# Altium PCB Thunderscope-E.PCBDOC (part 4 of 4) (continued)
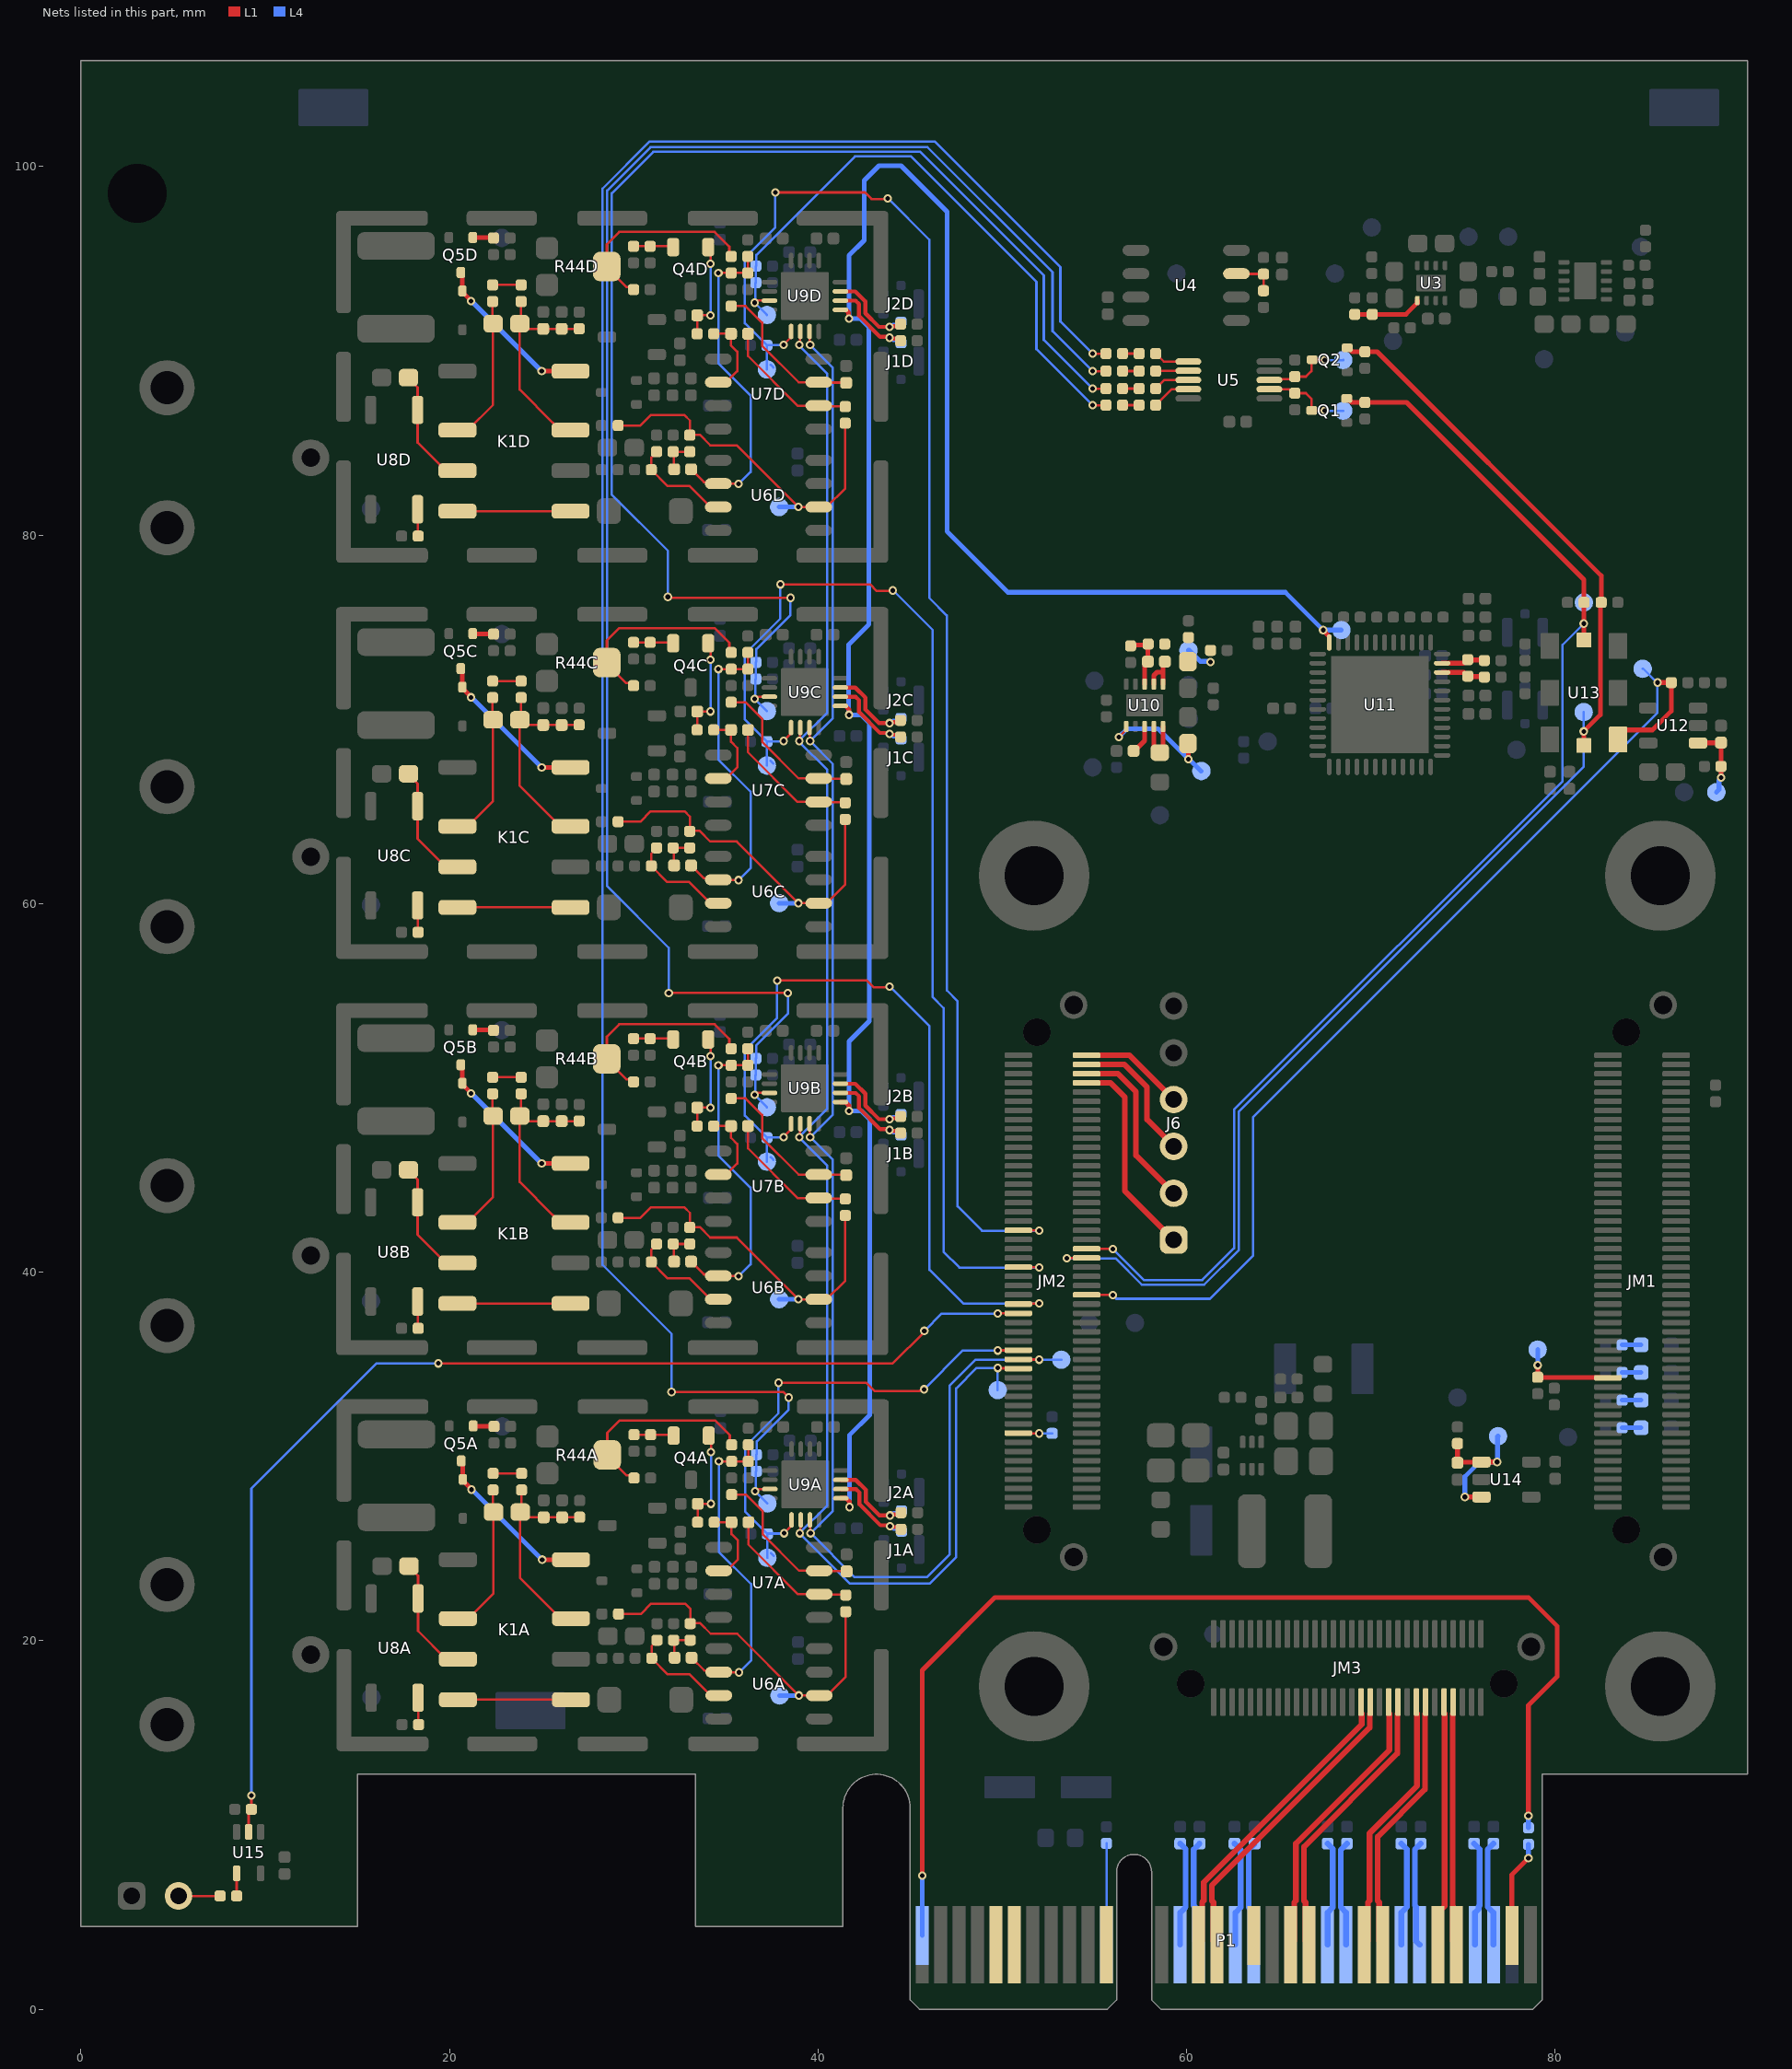
[diagram p6: the nets of this part, all layers, seen from the top]
## Nets (pads, with @x,y where several pads share a name; then routed paths per layer and width w, separated by ;. In a path a pad name is that pad's centre, name@x,y a point inside that pad or via, vN(x,y) a via of type N, cw(c..) or ccw(c..) an arc to the next point about the centre after c; other vN are vias at no path point) (continued)
  L1 w0.127: R45C.2@22.338,72.08 R47C.1@23.888,72.08
NetR45D_2: R45D.2 R47D.1 | length 1.5
  L1 w0.127: R45D.2@22.338,93.58 R47D.1@23.888,93.58
NetR46_2: R46.2 U15.4 | length 1.3
  L1 w0.127: U15.4@8.45,7.375 8.425,7.35 8.45,7.325 R46.2@8.45,6.15 R46.2@8.475,6.125
NetR51A_2: R51A.2 U8A.2 | length 1.5
  L1 w0.127: U8A.2@18.295,16.905 18.31,16.89 18.31,15.465 R51A.2@18.325,15.45
NetR51B_2: R51B.2 U8B.2 | length 1.5
  L1 w0.127: U8B.2@18.27,38.406 18.285,38.391 18.285,36.966 R51B.2@18.3,36.951
NetR51C_2: R51C.2 U8C.2 | length 1.5
  L1 w0.127: U8C.2@18.27,59.905 18.285,59.89 18.285,58.465 R51C.2@18.3,58.45
NetR51D_2: R51D.2 U8D.2 | length 1.5
  L1 w0.127: U8D.2@18.27,81.405 18.285,81.39 18.285,79.965 R51D.2@18.3,79.95
NetR70_2: R70.2 R71.2 U11.35 | length 2.4
  L1 w0.254: U11.35@73.868,73.05 75.045,73.05 R71.2@75.245,73.25 ; R70.2@76.157,73.2 76.132,73.225 R71.2@75.282,73.225 ; R71.2@75.245,73.25 75.27,73.225 R71.2@75.282,73.225 ; R71.2@75.245,73.25 R71.2@75.257,73.25 R71.2@75.282,73.225
NetR71_1: R71.1 R73.2 U11.34 | length 2.4
  L1 w0.254: U11.34@73.868,72.55 75.045,72.55 75.245,72.35 R71.1@75.257,72.35 75.282,72.325 76.132,72.325 R73.2@76.157,72.3
OSC_OE: JM2.48 R72.2 TP38.1 U13.1 | length 57.3
  L1 w0.127: JM2.48@54.567,38.771 54.577,38.76 55.99,38.76 v1(56,38.75)
  L1 w0.254: U13.1@83.415,68.905 83.415,69.055 83.788,69.428 85.278,69.428 86.3,70.45 R72.2@86.3,72 v1(85.55,72)
  L4 w0.127: v1(56,38.75) 56.193,38.557 61.268,38.557 63.596,40.885 63.596,48.405 85.55,70.359 v1(85.55,72) 85.525,72 84.775,72.75 TP38.1@84.75,72.75
OUTA_N: J1A.1 R29A.1 U9A.14 | length 5.3
  L1 w0.214: U9A.14@41.238,28.23 42.063,28.23 42.25,28.043 42.25,27.4 43.388,26.262 43.788,26.262 43.881,26.169 44.381,26.169 R29A.1@44.5,26.05
  L4 w0.214: v1(43.9,26.216) 43.966,26.216 44.107,26.074 44.376,26.074 J1A.1@44.525,25.925
OUTA_P: J2A.1 R28A.1 U9A.15 | length 5.2
  L1 w0.214: U9A.15@41.238,28.73 42.045,28.73 42.591,28.184 42.591,27.541 43.332,26.8 v1(43.9,26.8) 43.947,26.847 44.397,26.847 R28A.1@44.5,26.95
  L4 w0.214: v1(43.9,26.8) 43.966,26.8 44.092,26.926 44.376,26.926 J2A.1@44.525,27.075
OUTB_N: J1B.1 R29B.1 U9B.14 | length 5.3
  L1 w0.214: U9B.14@41.213,49.731 42.038,49.731 42.225,49.544 42.225,48.901 43.363,47.764 43.763,47.764 43.856,47.67 44.356,47.67 R29B.1@44.475,47.551
  L4 w0.214: v1(43.875,47.717) 43.941,47.717 44.082,47.575 44.351,47.575 J1B.1@44.5,47.426
OUTB_P: J2B.1 R28B.1 U9B.15 | length 5.2
  L1 w0.214: U9B.15@41.213,50.231 42.02,50.231 42.566,49.685 42.566,49.042 43.307,48.301 v1(43.875,48.301) 43.922,48.348 44.372,48.348 R28B.1@44.475,48.451
  L4 w0.214: v1(43.875,48.301) 43.941,48.301 44.067,48.427 44.351,48.427 J2B.1@44.5,48.576
OUTC_N: J1C.1 R29C.1 U9C.14 | length 5.3
  L1 w0.214: U9C.14@41.213,71.23 42.038,71.23 42.225,71.043 42.225,70.4 43.363,69.262 43.763,69.262 43.856,69.169 44.356,69.169 R29C.1@44.475,69.05
  L4 w0.214: v1(43.875,69.216) 43.941,69.216 44.082,69.074 44.351,69.074 J1C.1@44.5,68.925
OUTC_P: J2C.1 R28C.1 U9C.15 | length 5.2
  L1 w0.214: U9C.15@41.213,71.73 42.02,71.73 42.566,71.184 42.566,70.541 43.307,69.8 v1(43.875,69.8) 43.922,69.847 44.372,69.847 R28C.1@44.475,69.95
  L4 w0.214: v1(43.875,69.8) 43.941,69.8 44.067,69.926 44.351,69.926 J2C.1@44.5,70.075
OUTD_N: J1D.1 R29D.1 U9D.14 | length 5.3
  L1 w0.214: U9D.14@41.213,92.73 42.038,92.73 42.225,92.543 42.225,91.9 43.363,90.762 43.763,90.762 43.856,90.669 44.356,90.669 R29D.1@44.475,90.55
  L4 w0.214: v1(43.875,90.716) 43.941,90.716 44.082,90.574 44.351,90.574 J1D.1@44.5,90.425
OUTD_P: J2D.1 R28D.1 U9D.15 | length 5.2
  L1 w0.214: U9D.15@41.213,93.23 42.02,93.23 42.566,92.684 42.566,92.041 43.307,91.3 v1(43.875,91.3) 43.922,91.347 44.372,91.347 R28D.1@44.475,91.45
  L4 w0.214: v1(43.875,91.3) 43.941,91.3 44.067,91.426 44.351,91.426 J2D.1@44.5,91.575
PER0_N: C71.2 P1.A17 | length 5.7
  L4 w0.309: P1.A17@63.65,3.5 63.65,5.25 63.368,5.532 63.368,8.655 63.7,8.987 C71.2@63.7,8.99
PER0_P: C72.2 P1.A16 | length 5.7
  L4 w0.309: C72.2@62.6,8.99 62.6,8.987 62.932,8.655 62.932,5.532 62.65,5.25 P1.A16@62.65,3.5
PER1_N: C69.2 P1.A22 | length 5.7
  L4 w0.309: P1.A22@68.65,3.5 68.65,5.25 68.368,5.532 68.368,7.259 68.368,8.655 68.7,8.987 C69.2@68.7,8.99
PER1_P: C70.2 P1.A21 | length 5.7
  L4 w0.309: P1.A21@67.65,3.5 67.65,5.25 67.932,5.532 67.932,7.44 67.932,8.705 67.65,8.987 C70.2@67.65,8.99
PER2_N: C67.2 P1.A26 | length 5.7
  L4 w0.309: P1.A26@72.65,3.5 72.455,3.695 72.455,5.558 72.386,5.627 72.386,7.171 72.386,8.673 72.7,8.987 C67.2@72.7,8.99
PER2_P: C68.2 P1.A25 | length 5.7
  L4 w0.309: P1.A25@71.65,3.5 71.65,5.25 71.95,5.55 71.95,7.351 71.95,8.687 71.65,8.987 C68.2@71.65,8.99
PER3_N: C65.2 P1.A30 | length 5.7
  L4 w0.309: P1.A30@76.65,3.5 76.65,5.25 76.336,5.564 76.336,7.381 76.336,8.673 76.65,8.987 C65.2@76.65,8.99
PER3_P: C66.2 P1.A29 | length 5.7
  L4 w0.309: C66.2@75.6,8.99 75.6,8.987 75.9,8.687 75.9,7.2 75.9,5.627 75.845,5.572 75.845,5.445 75.65,5.25 P1.A29@75.65,3.5
PERST#: P1.A11 R79.1 | length 5.5
  L4 w0.127: P1.A11@55.65,3.5 R79.1@55.65,9
PET0_N: JM3.25 P1.B15 | length 16.9
  L1 w0.309: P1.B15@61.65,3.5 61.455,3.695 61.455,5.801 61.368,5.888 61.368,6.709 69.936,15.277 69.936,16.049 69.968,16.081 JM3.25@69.968,16.672
PET0_P: JM3.27 P1.B14 | length 16.9
  L1 w0.309: P1.B14@60.65,3.5 60.845,3.695 60.845,5.801 60.932,5.888 60.932,6.89 69.5,15.458 69.5,16.049 69.468,16.081 JM3.27@69.468,16.672
PET1_N: JM3.19 P1.B20 | length 15.4
  L1 w0.309: P1.B20@66.65,3.5 66.455,3.695 66.455,5.801 66.368,5.888 66.368,8.818 71.436,13.886 71.436,16.049 71.463,16.076 71.463,16.667 JM3.19@71.468,16.672
PET1_P: JM3.21 P1.B19 | length 15.4
  L1 w0.309: P1.B19@65.65,3.5 65.845,3.695 65.845,5.801 65.932,5.888 65.932,8.999 71,14.067 71,16.049 70.973,16.076 70.973,16.667 JM3.21@70.968,16.672
PET2_N: JM3.13 P1.B24 | length 14.4
  L1 w0.309: P1.B24@70.65,3.5 70.455,3.695 70.455,5.801 70.368,5.888 70.368,9.368 72.936,11.936 72.936,16.049 72.968,16.081 JM3.13@72.968,16.672
PET2_P: JM3.15 P1.B23 | length 14.4
  L1 w0.309: P1.B23@69.65,3.5 69.845,3.695 69.845,5.801 69.932,5.888 69.932,9.549 72.5,12.117 72.5,16.049 72.468,16.081 JM3.15@72.468,16.672
PET3_N: JM3.7 P1.B28 | length 13.3
  L1 w0.309: JM3.7@74.468,16.672 74.468,16.081 74.436,16.049 74.436,8.33 74.436,5.627 74.455,5.608 74.455,3.695 P1.B28@74.65,3.5
PET3_P: JM3.9 P1.B27 | length 13.3
  L1 w0.309: P1.B27@73.65,3.5 73.65,5.25 74,5.6 74,8.511 74,16.049 73.968,16.081 JM3.9@73.968,16.672
PGA_CSn_1: JM2.35 R53A.1 TP20A.1 U9A.9 | length 26.9
  L1 w0.127: v1(37.85,34) 42.616,34 43.066,33.55 45.506,33.55 45.539,33.583 45.683,33.583 v1(45.746,33.646) ; v1(38.163,25.83) 38.163,25.843 38.563,26.243 U9A.9@38.563,26.555 ; v1(49.75,35.75) 49.76,35.76 50.857,35.76 JM2.35@50.867,35.771
  L4 w0.127: TP20A.1@37.25,24.5 R53A.1@37.25,25.8 36.05,27 36.05,30.55 37.85,32.35 v1(37.85,34) ; R53A.1@37.265,25.815 38.148,25.815 v1(38.163,25.83) ; TP20A.1@37.45,24.75 TP20A.1@37.6,24.6 ; v1(45.746,33.646) 47.85,35.75 v1(49.75,35.75)
PGA_CSn_2: JM2.45 R53B.1 TP20B.1 U9B.9 | length 56.7
  L1 w0.127: v1@37.804,55.855 v1(37.777,55.828) 42.65,55.828 43.008,55.47 v1@43.846,55.47 ; v1(38.138,47.331) 38.138,47.344 38.538,47.744 U9B.9@38.538,48.056 ; JM2.45@50.867,38.271 50.882,38.285 51.985,38.285 v1(52,38.3)
  L4 w0.127: TP20B.1@37.225,46.001 R53B.1@37.225,47.301 36.025,48.501 36.025,52.051 37.777,53.803 v1(37.777,55.828) ; R53B.1@37.24,47.316 38.123,47.316 v1(38.138,47.331) ; TP20B.1@37.425,46.251 TP20B.1@37.575,46.101 ; v1(43.877,55.501) 43.899,55.501 46.05,53.35 ; 46.05,40.122 46.05,53.35 ; v1(52,38.3) 47.881,38.3 46.05,40.131 46.05,53.35
PGA_CSn_3: JM2.53 R53C.1 TP20C.1 U9C.9 | length 63.1
  L1 w0.127: v1(37.95,77.327) 42.823,77.327 43.181,76.969 v1@44.019,76.969 ; v1(38.138,68.83) 38.138,68.843 38.538,69.243 U9C.9@38.538,69.555 ; JM2.53@50.867,40.271 50.877,40.26 51.99,40.26 v1(52,40.25)
  L4 w0.127: TP20C.1@37.225,67.5 R53C.1@37.225,68.8 36.025,70 36.025,73.55 37.95,75.475 v1(37.95,77.327) ; R53C.1@37.24,68.815 38.123,68.815 v1(38.138,68.83) ; TP20C.1@37.425,67.75 TP20C.1@37.575,67.6 ; v1(44.05,77) 44.072,77 46.223,74.849 46.223,54.927 46.812,54.338 46.812,41.113 47.675,40.25 v1(52,40.25)
PGA_CSn_4: JM2.61 R53D.1 TP20D.1 U9D.9 | length 81.4
  L1 w0.127: v1(37.675,98.6) 42.548,98.6 42.906,98.242 v1@43.744,98.242 ; v1(38.138,90.33) 38.138,90.343 38.538,90.743 U9D.9@38.538,91.055 ; JM2.61@50.867,42.271 50.877,42.26 51.99,42.26 v1(52,42.25)
  L4 w0.127: TP20D.1@37.225,89 R53D.1@37.225,90.3 36.025,91.5 36.025,95.05 37.675,96.7 v1(37.675,98.6) ; R53D.1@37.24,90.315 38.123,90.315 v1(38.138,90.33) ; TP20D.1@37.425,89.25 TP20D.1@37.575,89.1 ; v1@43.797,98.273 46.042,96.028 46.042,76.589 46.985,75.646 46.985,74.347 46.991,74.341 46.991,55.291 47.574,54.708 47.574,43.576 48.9,42.25 v1(52,42.25)
  other v1: 43.775,98.273
PGA_SCLK: JM2.33 TP14.1 U9A.11 U9B.11 U9C.11 U9D.11 | length 96.5
  L1 w0.127: U9B.11@39.538,48.056 39.555,48.039 39.555,47.348 v1(39.572,47.331) ; U9C.11@39.538,69.555 39.555,69.538 39.555,68.847 v1(39.572,68.83) ; U9D.11@39.538,91.055 39.555,91.038 39.555,90.347 v1(39.572,90.33) ; U9A.11@39.563,26.555 39.58,26.538 39.58,25.847 v1(39.597,25.83) ; JM2.33@50.867,35.271 50.877,35.26 51.99,35.26 v1(52,35.25)
  L4 w0.127: v1(39.572,90.33) 39.572,90.306 40.8,89.078 40.8,70.058 v1(39.572,68.83) 39.572,68.807 40.8,67.579 40.8,48.559 v1(39.572,47.331) 40.8,46.103 40.8,27.033 v1(39.597,25.83) 41.977,23.45 45.9,23.45 47.15,24.7 47.15,33.85 48.55,35.25 v1(52,35.25) TP14.1@53.2,35.25
PGA_SDIO: JM2.31 TP15.1 U9A.10 U9B.10 U9C.10 U9D.10 | length 95.7
  L1 w0.127: v1(38.988,47.331) 39.019,47.363 39.019,48.038 U9B.10@39.038,48.056 ; v1(38.988,68.83) 39.019,68.861 39.019,69.536 U9C.10@39.038,69.555 ; v1(38.988,90.33) 39.019,90.361 39.019,91.036 U9D.10@39.038,91.055 ; v1(39.013,25.83) 39.044,25.861 39.044,26.536 U9A.10@39.063,26.555 ; v1(49.75,34.8) 49.765,34.785 50.852,34.785 JM2.31@50.867,34.771
  L4 w0.127: v1@38.988,90.357 v1(38.988,90.33) 38.988,90.275 40.5,88.763 40.5,70.369 38.988,68.857 v1(38.988,68.83) 38.988,68.777 40.5,67.264 40.5,48.87 38.988,47.358 v1(38.988,47.331) 38.988,47.3 40.5,45.788 40.5,27.344 39.013,25.857 v1(39.013,25.83) 39.013,25.822 41.734,23.1 46.05,23.1 47.5,24.55 47.5,33.691 48.609,34.8 v1(49.75,34.8) TP15.1@49.75,33.6
PGOOD: JM1.29 R81.1 TP45.1 | length 5.3
  L1 w0.254: v1(79.05,34.95) R81.1@79.05,34.3 79.065,34.285 82.852,34.285 JM1.29@82.867,34.271
  L4 w0.254: v1(79.05,34.95) TP45.1@79.05,35.8
PROBE_COMP: JM2.43 R84.2 U15.2 | length 64.3
  L1 w0.127: U15.2@9.1,9.625 9.1,10.7 R84.2@9.25,10.85 v1(9.25,11.6) ; v1(19.4,35.05) 44.05,35.05 45.768,36.768 v1(45.768,36.818) ; v1(49.75,37.75) 49.76,37.76 50.857,37.76 JM2.43@50.867,37.771
  L4 w0.127: v1(9.25,11.6) 9.25,28.26 16.04,35.05 v1(19.4,35.05) ; v1(45.768,36.818) 46.704,37.754 49.746,37.754 v1(49.75,37.75)
PRSNT1#: P1.A1 R85.1 | length 62.7
  L1 w0.254: v1(45.65,7.247) 45.65,18.4 49.6,22.35 78.55,22.35 80.1,20.8 80.1,18.05 78.55,16.5 v1(78.55,10.5)
  L4 w0.254: P1.A1@45.65,4 v1(45.65,7.247) ; R85.1@78.55,9.85 v1(78.55,10.5)
PRSNT2#_1: P1.B17
PRSNT2#_4: P1.B31 R85.2 | length 5.3
  L1 w0.254: P1.B31@77.65,4 77.65,7.3 v1(78.55,8.2)
  L4 w0.254: v1(78.55,8.2) R85.2@78.55,8.95
REFCLK_N: C73.2 P1.A14 | length 5.7
  L4 w0.309: P1.A14@60.65,3.5 60.455,3.695 60.455,5.558 60.386,5.627 60.386,7.25 60.386,8.673 60.7,8.987 C73.2@60.7,8.99
REFCLK_P: C74.2 P1.A13 | length 5.7
  L4 w0.309: P1.A13@59.65,3.5 59.65,5.25 59.95,5.55 59.95,7.431 59.95,8.687 59.65,8.987 C74.2@59.65,8.99
RESIN: JM2.17 R80.1 | length 1.8
  L1 w0.127: JM2.17@50.867,31.271 50.877,31.26 51.99,31.26 v1(52,31.25)
  L4 w0.127: v1(52,31.25) R80.1@52.7,31.25
SCL: JM2.58 Q1.3 R24.1 R77.1 TP41.1 U13.8 | length 72.6
  L1 w0.127: JM2.58@54.567,41.271 54.577,41.26 55.99,41.26 v1(56,41.25)
  L1 w0.254: Q1.3@68.69,87.42 68.755,87.42 68.971,87.205 R24.1@69.675,87.205 71.945,87.205 81.559,77.591 R77.1@81.559,76.341 ; U13.8@81.565,74.31 81.558,74.317 81.558,75.192 v1(81.55,75.2) 81.559,75.209 R77.1@81.559,76.341 ; R77.1@81.568,76.35 R77.1@81.559,76.341
  L4 w0.127: v1(56,41.25) 57.677,39.573 60.847,39.573 62.58,41.306 62.58,48.826 80.4,66.646 80.4,74.05 v1(81.55,75.2) 81.555,75.205 81.555,76.336 TP41.1@81.559,76.341
SDA: JM2.56 Q2.3 R25.1 R76.1 TP39.1 U13.7 | length 77.3
  L1 w0.127: v1(53.5,40.75) 53.51,40.76 54.557,40.76 JM2.56@54.567,40.771
  L1 w0.254: Q2.3@68.715,90.17 68.78,90.17 68.996,89.955 R25.1@69.675,89.955 70.345,89.955 82.5,77.8 R76.1@82.5,76.35 82.45,76.3 82.45,70.25 v1(81.55,69.35) 81.558,69.342 81.558,68.587 U13.7@81.565,68.58
  L4 w0.127: v1(53.5,40.75) 56.141,40.75 57.572,39.319 60.952,39.319 62.834,41.201 62.834,48.721 81.55,67.437 v1(81.55,69.35) TP39.1@81.55,70.4
SMCLK: P1.B5
SMDAT: P1.B6
TCK: J6.4 JM2.100 | length 5.7
  L1 w0.309: JM2.100@54.567,51.771 56.899,51.771 J6.4@59.3,49.37
TDI: J6.2 JM2.96 | length 9.4
  L1 w0.309: JM2.96@54.567,50.771 56.279,50.771 57.25,49.8 57.25,46.34 J6.2@59.3,44.29
TDO: J6.3 JM2.98 | length 7.6
  L1 w0.309: JM2.98@54.567,51.271 56.629,51.271 57.85,50.05 57.85,48.28 J6.3@59.3,46.83
TMS: J6.1 JM2.94 | length 11.2
  L1 w0.309: JM2.94@54.567,50.271 55.879,50.271 56.65,49.5 56.65,44.4 J6.1@59.3,41.75
TRIMA: R16.1 R54A.1 R55A.2 TP24A.1 U9A.7 | length 115.9
  L1 w0.127: v1(32.05,33.5) 38.1,33.5 v1(38.4,33.2) ; v1(36.583,28.117) 36.632,28.117 36.745,28.23 U9A.7@37.388,28.23 ; v1(54.9,89.85) 54.903,89.853 55.622,89.853 R16.1@55.625,89.855
  L4 w0.127: v1(32.05,33.5) 32.05,36.65 28.3,40.4 28.3,98.809 30.841,101.35 46.35,101.35 53.15,94.55 53.15,91.6 v1(54.9,89.85) ; v1@36.561,28.139 v1(36.583,28.117) ; TP24A.1@37.25,27.45 v1(36.583,28.117) ; v1(38.4,33.2) 38.4,32.541 36.678,30.819 36.678,30.128 R54A.1@36.65,30.1 R55A.2@36.65,29.2 36.616,29.166 36.616,28.151 v1(36.583,28.117)
TRIMB: R19.1 R54B.1 R55B.2 TP24B.1 U9B.7 | length 94.5
  L1 w0.127: v1(31.9,55.15) v1@38.36,55.151 ; v1(36.558,49.618) 36.607,49.618 36.72,49.731 U9B.7@37.363,49.731 ; v1(54.9,88.9) 54.903,88.903 55.622,88.903 R19.1@55.625,88.905
  L4 w0.127: v1(31.9,55.15) 31.9,57.604 28.554,60.95 28.554,98.704 30.908,101.058 45.942,101.058 52.725,94.275 52.725,91.075 v1(54.9,88.9) ; v1@36.536,49.64 v1(36.558,49.618) ; TP24B.1@37.225,48.951 v1(36.558,49.618) ; v1(38.36,55.151) 38.36,54.027 36.653,52.32 36.653,51.63 R54B.1@36.625,51.601 R55B.2@36.625,50.701 36.591,50.668 36.591,49.652 v1(36.558,49.618)
TRIMC: R21.1 R54C.1 R55C.2 TP24C.1 U9C.7 | length 73.1
  L1 w0.127: v1(31.85,76.65) 31.9,76.6 v1(38.5,76.6) ; v1(36.558,71.117) 36.607,71.117 36.72,71.23 U9C.7@37.363,71.23 ; v1(54.9,87.95) 54.903,87.953 55.622,87.953 R21.1@55.625,87.955
  L4 w0.127: v1(31.85,76.65) 31.85,79.15 28.808,82.192 28.808,98.551 31.061,100.804 45.546,100.804 52.25,94.1 52.25,90.6 v1(54.9,87.95) ; v1@36.536,71.139 v1(36.558,71.117) ; TP24C.1@37.225,70.45 v1(36.558,71.117) ; v1(38.5,76.6) 38.5,75.666 36.653,73.819 36.653,73.128 R54C.1@36.625,73.1 R55C.2@36.625,72.2 36.591,72.166 36.591,71.151 v1(36.558,71.117)
TRIMD: R23.1 R54D.1 R55D.2 TP24D.1 U9D.7 | length 33.4
  L1 w0.127: v1(36.558,92.617) 36.607,92.617 36.72,92.73 U9D.7@37.363,92.73 ; v1(54.9,87.05) 54.903,87.053 55.622,87.053 R23.1@55.625,87.055
  L4 w0.127: v1@36.536,92.639 TP24D.1@37.225,91.95 ; v1(36.558,92.617) 36.591,92.651 36.591,93.666 R55D.2@36.625,93.7 R54D.1@36.625,94.6 36.653,94.628 36.653,95.203 42,100.55 45.05,100.55 51.85,93.75 51.85,90.1 v1(54.9,87.05)
VCM: TP12.1 U9A.13 U9B.13 U9C.13 U9D.13 U11.48 | length 127.2
  L1 w0.254: U9B.13@41.213,49.231 41.495,49.231 41.675,49.051 v1(41.675,48.751) ; U9C.13@41.213,70.73 41.495,70.73 41.675,70.55 v1(41.675,70.25) ; U9D.13@41.213,92.23 41.509,92.23 41.652,92.087 41.652,91.773 v1(41.675,91.75) ; U9A.13@41.238,27.73 41.52,27.73 41.7,27.55 v1(41.7,27.25) ; v1(67.407,74.85) 67.407,74.832 67.743,74.496 U11.48@67.743,74.175
  L4 w0.254: v1(41.675,48.751) v1(41.675,48.751) ; v1(41.7,27.25) 41.7,31.15 42.8,32.25 42.8,48.3 42.35,48.75 v1(41.675,48.751) ; TP12.1@68.4,74.85 v1(67.407,74.85) 65.357,76.9 50.3,76.9 47,80.2 47,97.55 44.5,100.05 43.3,100.05 42.5,99.25 42.5,96 41.675,95.175 v1(41.675,91.75) 42.302,91.75 42.752,91.3 42.752,75.152 41.652,74.052 41.652,70.25 42.326,70.25 42.776,69.8 42.776,53.626 41.676,52.526 v1(41.675,48.751)
WAKE#: P1.B11
pads on no net: JM1. JM1.3 JM1.5 JM1.8 JM1.9 JM1.11 JM1.13 JM1.15 JM1.17 JM1.18 JM1.20 JM1.21 JM1.22 JM1.23 JM1.24 JM1.26 JM1.28 JM1.31 JM1.32 JM1.34 JM1.35 JM1.36 JM1.37 JM1.38 JM1.39 JM1.40 JM1.41 JM1.42 JM1.44 JM1.45 JM1.46 JM1.47 JM1.48 JM1.49 JM1.50 JM1.51 JM1.52 JM1.56 JM1.58 JM1.66 JM1.68 JM1.70 JM1.72 JM1.75 JM1.77 JM1.80 JM1.82 JM1.84 JM1.86 JM1.88 JM1.91 JM1.92 JM2. JM2.6 JM2.9 JM2.11 JM2.12 JM2.13 JM2.14 JM2.15 JM2.16 JM2.18 JM2.20 JM2.21 JM2.22 JM2.23 JM2.24 JM2.25 JM2.26 JM2.27 JM2.28 JM2.30 JM2.32 JM2.34 JM2.36 JM2.38 JM2.67 JM2.71 JM2.72 JM2.73 JM2.74 JM2.75 JM2.76 JM2.77 JM2.78 JM2.81 JM2.82 JM2.83 JM2.84 JM2.85 JM2.86 JM2.87 JM2.88 JM2.90 JM2.91 JM2.93 JM2.95 JM2.97 JM2.99 JM3. JM3.1 JM3.2 JM3.3 JM3.4 JM3.31 JM3.33 JM3.37 JM3.38 JM3.39 JM3.40 JM3.41 JM3.42 JM3.43 JM3.44 JM3.47 JM3.48 JM3.49 JM3.50 JM3.51 JM3.52 JM3.53 JM3.54 JM3.55 JM3.56 JM3.57 JM3.58 JM3.59 P1.A19 P1.A32 P1.B12 P1.B30 R44A.1 R44B.1 R44C.1 R44D.1 U4.1 U4.5 U4.8 U5.5 U6A.1 U6A.5 U6A.8 U6B.1 U6B.5 U6B.8 U6C.1 U6C.5 U6C.8 U6D.1 U6D.5 U6D.8 U7A.1 U7A.5 U7A.8 U7B.1 U7B.5 U7B.8 U7C.1 U7C.5 U7C.8 U7D.1 U7D.5 U7D.8 U9A.1 U9A.2 U9A.16 U9B.1 U9B.2 U9B.16 U9C.1 U9C.2 U9C.16 U9D.1 U9D.2 U9D.16 U12.4 U14.4 U15.1

## Polygon pours and split planes (outlines as drawn)
+3V3 on L3 "+3V3_L03" (solid, remove dead copper, pour order 42): 0,0 0,105.75 90.45,105.75 90.45,0
+5V on L3 "+5V_L03" (solid, remove dead copper, pour order 41): 30.65,97.7 85.75,97.7 85.75,90.6 66.35,90.6 66.35,84.95 48.45,84.95 48.45,14.1 30.65,14.1 30.65,33.2 42.45,33.2 42.45,35.6 30.65,35.6 30.65,54.7 42.45,54.7 42.45,57.1 30.65,57.1 30.65,76.2 42.45,76.2 42.45,78.6 30.65,78.6
GND on L3 "GND_L03_PCIe" (solid, remove dead copper, pour order 29): 58.1,0 58.1,20.3 79.3,20.3 79.3,0
GND on L3 "GND_L03_CH4" (solid, remove dead copper, pour order 40): 10.975,78.6 10.975,97.7 30.625,97.7 30.625,78.6
GND on L3 "GND_L03_CH3" (solid, remove dead copper, pour order 39): 10.975,57.1 10.975,76.2 30.625,76.2 30.625,57.1
GND on L3 "GND_L03_CH2" (solid, remove dead copper, pour order 38): 10.975,35.601 10.975,54.701 30.625,54.701 30.625,35.601
GND on L3 "GND_L03_CH1" (solid, remove dead copper, pour order 37): 11,14.1 11,33.2 30.65,33.2 30.65,14.1
GND on L3 "GND_L03_ADC_LVDS" (solid, remove dead copper, pour order 33): 72.75,49.25 86.45,49.25 86.45,41 72.8,41
GND on L1 "GND_L01" (solid, remove dead copper, pour order 46): 0,0 0,105.75 90.45,105.75 90.467,105.733 90.467,-0.012
+12V on L1 "+12V_L01" (solid, remove dead copper, pour order 34): 63.2,29.65 63.2,28.25 59.5,28.25 59.5,27.1 57.85,27.1 57.85,29.9 61.25,29.9 61.25,29.65
NetC51_2 on L1 "C51_2_L01" (solid, pour order 32): 58.095,67.6 60.627,67.6 60.627,69.143 58.095,69.143
NetC10_2 on L1 "C10_2_L01" (solid, pour order 27): 78.5,93.432 78.5,90.9 80,90.9 80,93.432
+5V on L1 "+5V_L01" (solid, remove dead copper, pour order 28): 85.65,93.073 83.3,93.073 83.3,90.75 85.65,90.75
NetC50_2 on L1 "C50_2_L01" (solid, remove dead copper, pour order 31): 58.452,74.75 58.452,72.441 61.6,72.441 61.6,74.75
GND on L4 "+GND_L04" (solid, remove dead copper, pour order 50): 0,0 0,105.75 90.45,105.75 90.45,0
+1V8A on L4 "+1V8A_L04" (solid, remove dead copper, pour order 43): 59,75.75 65.75,75.75 67.45,74.05 69.2,74.05 73.05,77.9 75.05,77.9 75.75,77.9 75.75,71 73.5,71 73.5,71.75 75,71.75 75,74.05 72.6,74.05 71.4,72.85 64.7,72.85 62.6,74.95 59,74.95
+5V on L4 "+5V_L04_PGA4" (solid, remove dead copper, pour order 49): 38.1,96.349 39.9,96.349 39.9,94.999 38.1,94.999
+5V on L4 "+5V_L04_PGA3" (solid, remove dead copper, pour order 48): 38.103,74.851 39.903,74.851 39.903,73.501 38.103,73.501
+5V on L4 "+5V_L04_PGA1" (solid, remove dead copper, pour order 47): 38.13,31.854 39.93,31.854 39.93,30.504 38.13,30.504
+5V on L4 "+5V_L04_PGA2" (solid, remove dead copper, pour order 45): 38.1,53.35 39.9,53.35 39.9,52 38.1,52
+5V5 on L4 "+5V5_L04" (solid, remove dead copper, pour order 36): 66.15,34.65 66.15,49.75 87.25,70.85 87.25,96.2 86.65,96.8 79.65,96.8 78.5,95.65 78.5,91.75 76.05,91.75 76.05,96.3 78.75,99 89.45,99 89.45,65.35 84.85,65.35 68.6,49.1 68.6,34.65
+1V8D on L4 "+1v8d_L04" (solid, remove dead copper, pour order 44): 61.9,74.7 62.85,74.7 64.7,72.85 67.35,72.85 67.35,70.05 69.45,67.95 71.45,67.95 74.45,70.95 75.65,70.95 75.65,69.85 72.6,66.8 68.6,66.8 62.65,72.75 61.9,72.75
+12V_PCIe on L4 "+12V_PCIe_L04" (solid, remove dead copper, pour order 35): 48,5.9 46.3,5.9 46.3,20.5 48.85,23.05 53.8,23.05 55.7,24.95 57.6,26.85 60,26.85 60,25.65 55.6,21.25 49.75,21.25 48,19.5
+3V3_PCIe on L4 "+3V3_PCIe_L04" (solid, remove dead copper, pour order 30): 55,5.9 55,10.05 53.15,10.05 53.15,6.65 52.25,6.65 52.25,5.9
GND on L2 "GND_L02" (solid, remove dead copper, pour order 9): 0,105.75 90.45,105.75 90.45,0 0,0

## Keep-outs
L1:
  rectangle: 0,89.7 11.2,104.75
  region: 90.45,12.75 90.45,105.75 89.45,105.75 89.45,12.75
  rectangle: 0,104.75 90.45,105.75
  rectangle: 79.3,12.75 90.45,13.75
  region: 15,12.7 15.05,12.7 33.3,12.7 33.3,7.95 ccw(c33.35,7.95) 33.35,7.9 41.35,7.9 ccw(c41.35,7.95) 41.4,7.95 41.4,10.925 cw(c43.175,10.925) 44.95,10.925 ccw(c45,10.925) 45.05,10.925 45.05,13.75 ccw(c45,13.75) 45,13.8 15,13.8
L2:
  circle w0.254: c3.05,98.55 r3
L3:
  circle w0.254: c3.05,98.55 r3
L4:
  rectangle: 0,89.7 11.2,104.8
  region: 90.45,12.75 90.45,105.75 89.45,105.75 89.45,12.75
  rectangle: 0,104.75 89.75,105.75
  rectangle: 79.3,12.75 89.75,13.75
  region: 15,12.7 15.05,12.7 33.3,12.7 33.3,7.95 ccw(c33.35,7.95) 33.35,7.9 41.35,7.9 ccw(c41.35,7.95) 41.4,7.95 41.4,10.925 cw(c43.175,10.925) 44.95,10.925 ccw(c45,10.925) 45.05,10.925 45.05,13.75 ccw(c45,13.75) 45,13.8 15,13.8
Top Solder:
  rectangle: 33.35,4.5 41.35,7.95
Bottom Solder:
  rectangle: 33.35,4.5 41.35,7.95
KeepOutLayer:
  rectangle: 33.35,4.5 41.35,7.95

## Other copper
L1:
  pour cut-out: 54.8,82.4 70.35,82.4 74.1,76.45 54.8,76.45
  pour cut-out: 45,5.6 79.3,5.6 79.3,0 45.05,0 45,0
  pour cut-out: 14.894,96.581 14.894,79.481 42.882,79.481 42.882,94.257 36.832,94.257 36.832,96.581
  pour cut-out: 11.194,82.481 11.194,89.631 13.694,92.131 14.894,92.131 14.894,90.231 14.294,90.231 13.744,89.681 13.744,82.481
  pour cut-out: 14.887,75.074 14.887,57.974 42.875,57.974 42.875,72.75 36.825,72.75 36.825,75.074
  pour cut-out: 11.187,60.974 11.187,68.124 13.687,70.624 14.887,70.624 14.887,68.724 14.287,68.724 13.737,68.174 13.737,60.974
  pour cut-out: 14.887,53.575 14.887,36.475 42.875,36.475 42.875,51.251 36.825,51.251 36.825,53.575
  pour cut-out: 11.187,39.475 11.187,46.625 13.687,49.125 14.887,49.125 14.887,47.225 14.287,47.225 13.737,46.675 13.737,39.475
  pour cut-out: 11.212,17.974 11.212,25.124 13.712,27.624 14.912,27.624 14.912,25.724 14.312,25.724 13.762,25.174 13.762,17.974
  pour cut-out: 14.912,32.074 14.912,14.974 42.9,14.974 42.9,29.75 36.85,29.75 36.85,32.074
L2:
  pour cut-out: 11.2,61.3 11.2,68.45 13.7,70.95 14.9,70.95 14.9,68.85 13.75,67.7 13.75,61.3
  pour cut-out: 11.2,39.65 11.2,46.8 13.4,49 14.9,49 14.9,47.65 13.75,46.5 13.75,39.65
  pour cut-out: 11.2,82.95 11.2,90.1 13.1,92 14.9,92 14.9,90.3 13.75,89.15 13.75,82.95
  pour cut-out: 14.875,96.6 14.875,79.5 30.625,79.5 30.625,96.6
  pour cut-out: 14.875,75.1 14.875,58 30.625,58 30.625,75.1
  pour cut-out: 14.875,53.601 14.875,36.501 30.625,36.501 30.625,53.601
  pour cut-out: 11.2,18 11.2,25.15 13.7,27.65 14.9,27.65 14.9,25.75 14.3,25.75 13.75,25.2 13.75,18
  pour cut-out: 14.9,32.1 14.9,15 30.65,15 30.65,32.1
L4:
  pour cut-out: 84.45,36.5 86.2,36.5 88.4,36.5 88.4,32.2 86.2,32.2 86.2,31 84.4,31
  pour cut-out: 45,5.6 79.3,5.6 79.3,0 45.05,0 45,0

## Silkscreen, mask and mechanical layers (free items; w line width, h text height)
Top Overlay:
  lines w0.25: 48,13.695 89.45,13.695 89.45,65.245 48,65.245 48,13.695
Bottom Overlay:
  text "CH4" at 45.5,94.192 h1.5
  text "ADC / CLK" at 79.4,76.38 h1.5
  text "CH3" at 45.5,72.692 h1.5
  text "JTAG" at 60.6,56.292 h1.5
  text "CH2" at 45.5,51.192 h1.5
  text "A1" at 88.4,35.64 h1.5
  text "A2" at 88.4,34.136 h1.5
  text "A3" at 88.4,32.642 h1.5
  text "A4" at 88.4,31.142 h1.5
  text "CH1" at 45.525,29.692 h1.5
Top Solder:
  drawing of 11 lines, arcs and shapes, not listed
  text "ThunderScope 1000E Rev.1" at 13.7,102.074 h3
PCI-SIG Outline:
  the board outline again, w0.1
PCI-SIG Notes:
  text "- Nominal values used, dimensions in mm" at 118.401,67.734 h1.52
  text "- The mounting holes and keep-out areas around them are only required when the I/O bracket is mounted on the card directly" at 118.4,65.9 h1.52
  text "- Component height rule and clearance rule derived from PCI_Express_CEM_r2.0.pdf, Page 84." at 118.401,64.178 h1.52
  text "- Stackup is not specified in PCI_Express_CEM_r2.0.pdf, nor implemented in this template." at 118.401,62.4 h1.52
DrillDrawing:
  text "Drilling Details." at 225.001,136.483 h1
  text ".LEGEND" at 225.25,59.352 h1

## Dimensions
0,0 to 0,105.75 on PCI-SIG Dimensions
0,4.5 to 0,105.75 on PCI-SIG Dimensions
0,111.15 to 90.45,12.75 on PCI-SIG Dimensions

## Text inside footprints (layer, text, board x,y; h text height)
JM1: Top Overlay "2" at 87.917,27.549 h1.5 r270; Top Overlay "1" at 80.692,27.554 h1.5 r270
JM2: Top Overlay "1" at 48.692,27.554 h1.5 r270; Top Overlay "2" at 55.917,27.549 h1.5 r270
JM3: Top Overlay "1" at 75.684,14.497 h1.5; Top Overlay "2" at 75.689,21.722 h1.5